# KiCad board KlusterLab r2.0.kicad_pcb (continued)
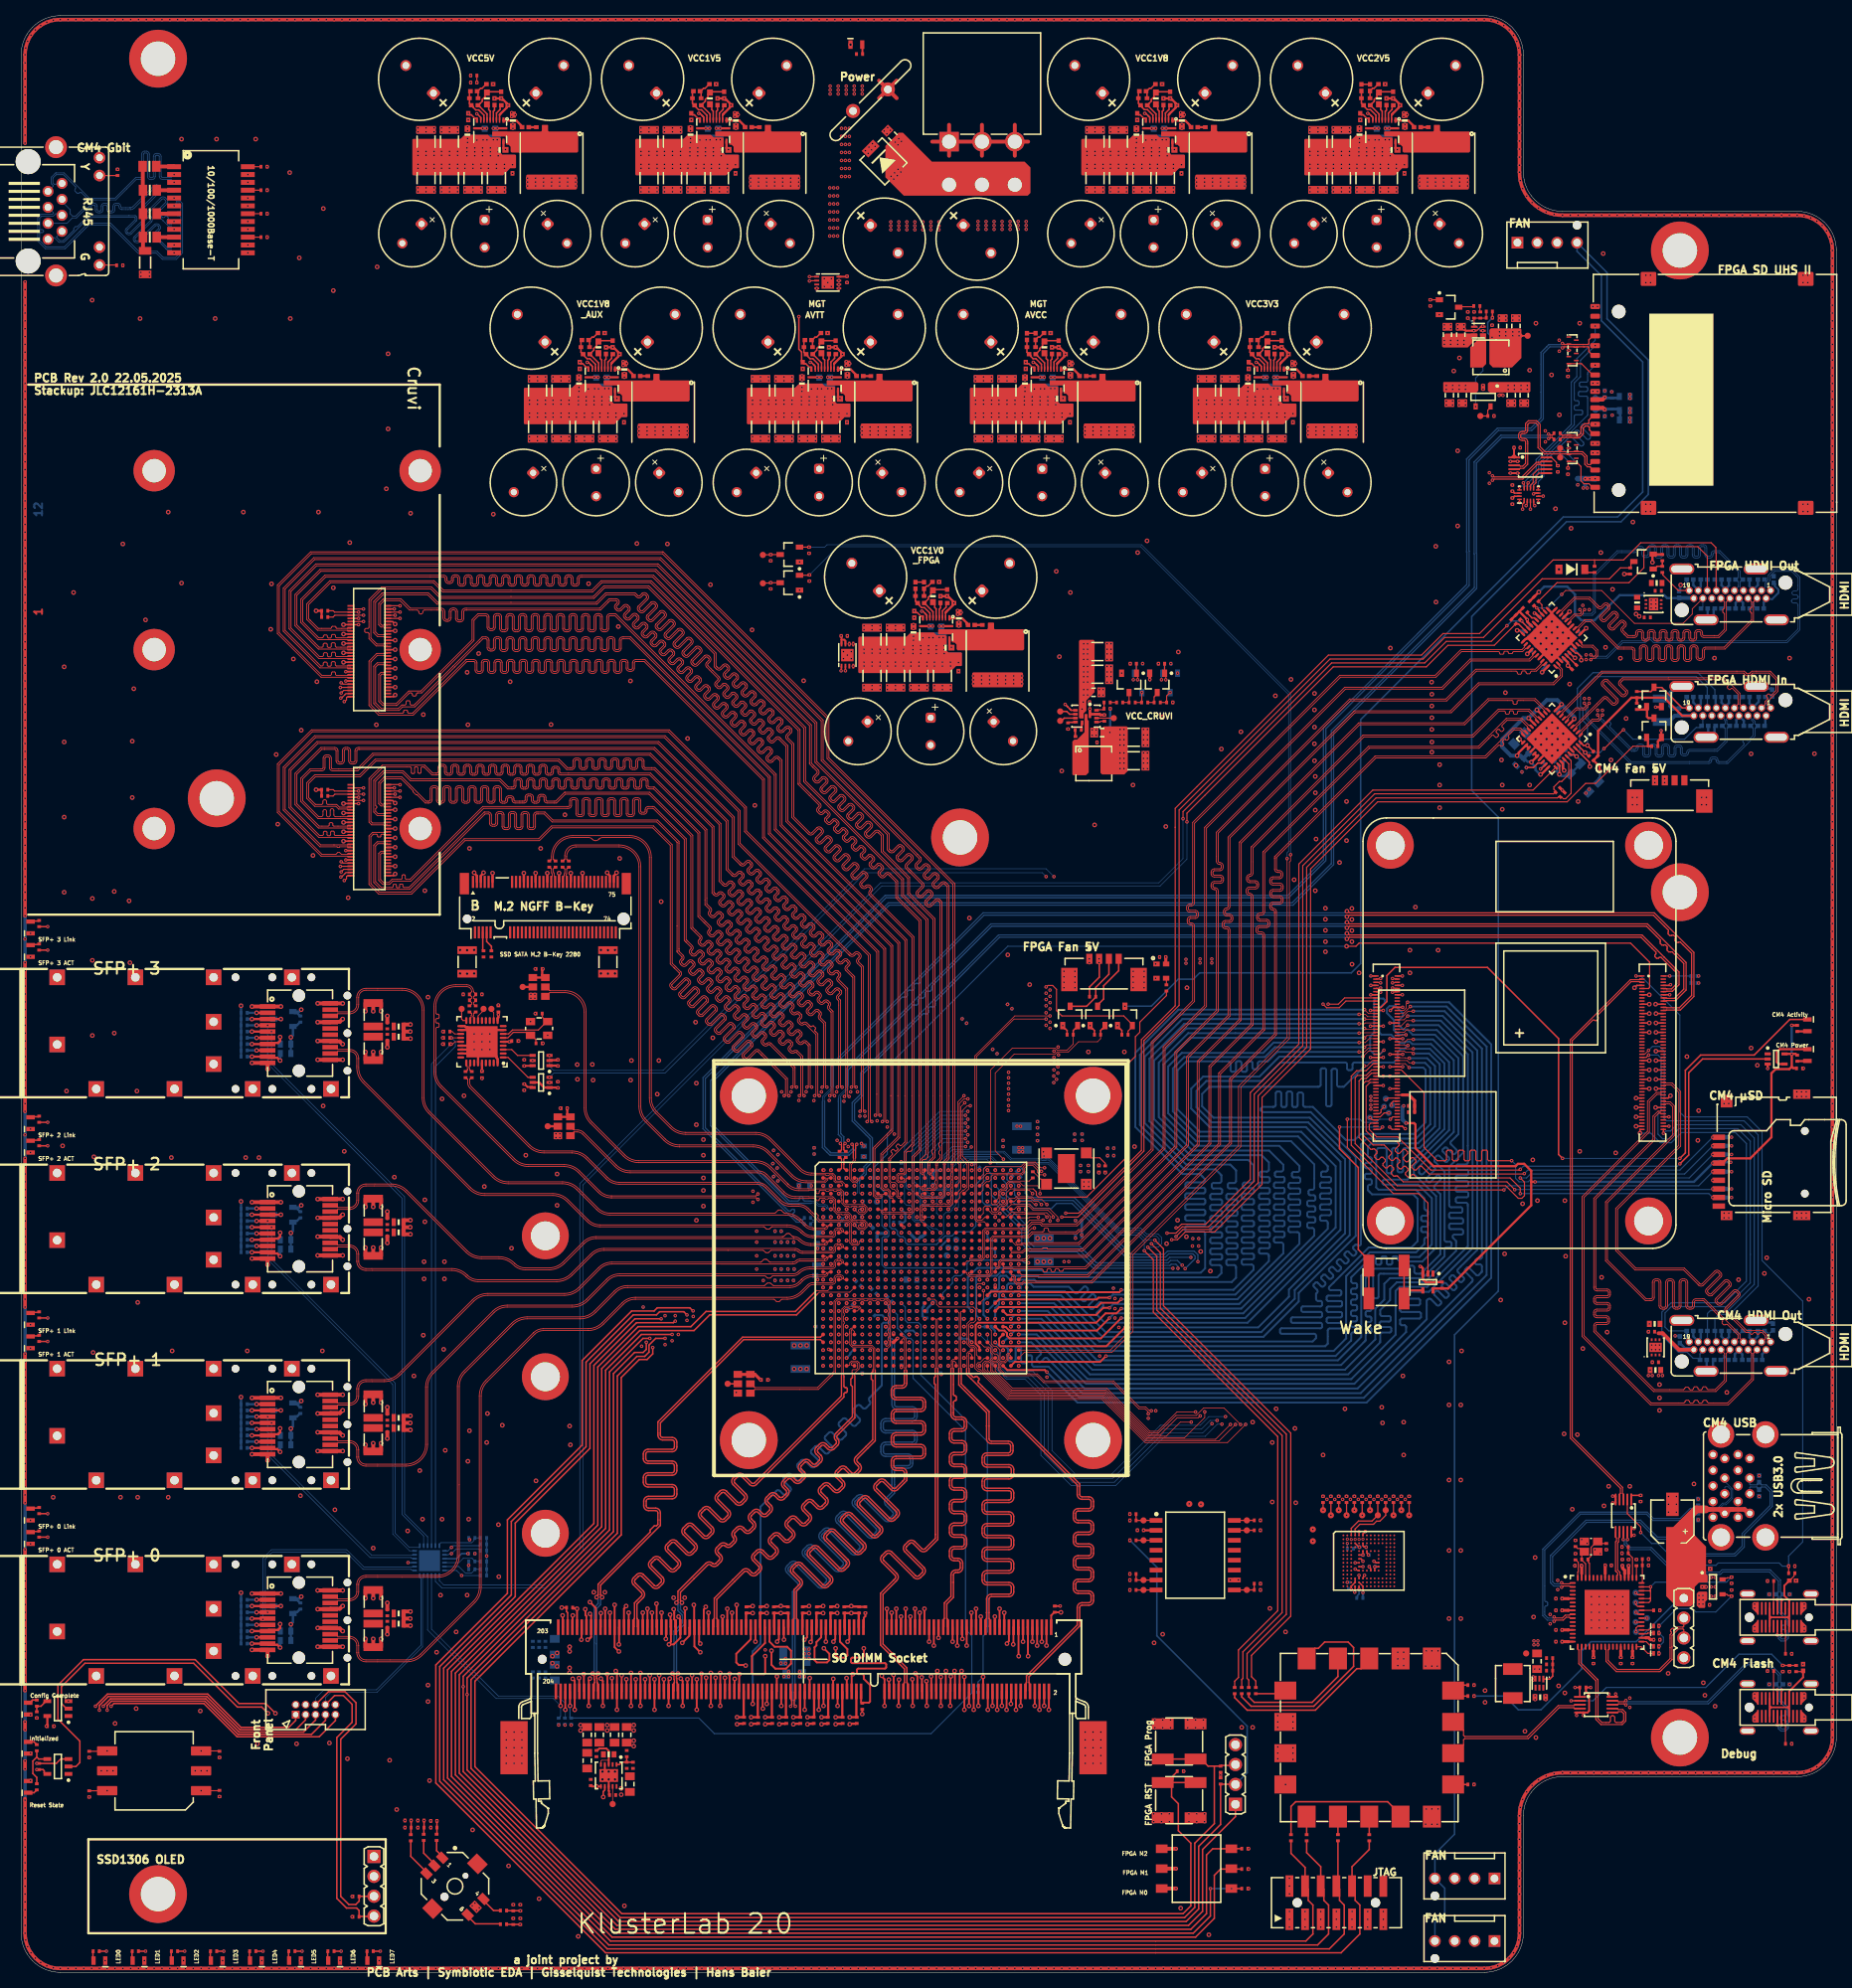
[diagram p0: board, top side]
## Routing (per net, layer and track width the routed paths; a pad name or vN(x,y) marks a point on that pad's centre or on a via; arc(x,y) is an arc through that point) (continued)
  L3 Inner2 (Sig) w0.154: v2(120.3,42.6) 120.8,43.1 120.8,46.8 121.5,47.5 121.5,48.7 122.5,49.7 122.5,55.49 arc(122.55,55.6) 122.65,55.65 122.69,55.65 arc(122.8,55.69) 122.85,55.8 122.85,56.1 arc(122.8,56.21) 122.69,56.25 122.45,56.25 arc(122.35,56.29) 122.3,56.4 122.3,56.7 arc(122.35,56.81) 122.45,56.85 122.69,56.85 arc(122.8,56.9) 122.85,57 122.85,57.31 arc(122.8,57.41) 122.69,57.46 122.45,57.46 arc(122.35,57.5) 122.3,57.61 122.3,57.91 arc(122.35,58.02) 122.45,58.06 122.69,58.06 arc(122.8,58.11) 122.85,58.21 122.85,58.51 arc(122.8,58.62) 122.69,58.67 122.45,58.67 arc(122.35,58.71) 122.3,58.82 122.3,59.12 arc(122.35,59.23) 122.45,59.27 122.69,59.27 arc(122.8,59.31) 122.85,59.42 122.85,59.72 arc(122.8,59.83) 122.69,59.87 122.45,59.87 arc(122.35,59.92) 122.3,60.03 122.3,60.33 arc(122.35,60.43) 122.45,60.48 122.69,60.48 arc(122.8,60.52) 122.85,60.63 122.85,60.93 arc(122.8,61.04) 122.69,61.08 122.45,61.08 arc(122.35,61.13) 122.3,61.23 122.3,61.54 arc(122.35,61.64) 122.45,61.69 122.69,61.69 arc(122.8,61.73) 122.85,61.84 122.85,62.14 arc(122.8,62.25) 122.69,62.29 122.45,62.29 arc(122.35,62.33) 122.3,62.44 122.3,62.74 arc(122.35,62.85) 122.45,62.89 122.69,62.89 arc(122.8,62.94) 122.85,63.05 122.85,63.35 arc(122.8,63.45) 122.69,63.5 122.45,63.5 arc(122.35,63.54) 122.3,63.65 122.3,63.95 arc(122.35,64.06) 122.45,64.1 122.69,64.1 arc(122.8,64.15) 122.85,64.25 122.85,64.56 arc(122.8,64.66) 122.69,64.71 122.45,64.71 arc(122.35,64.75) 122.3,64.86 122.3,65.16 arc(122.35,65.27) 122.45,65.31 122.69,65.31 arc(122.8,65.35) 122.85,65.46 122.85,65.76 arc(122.8,65.87) 122.69,65.91 122.45,65.91 arc(122.35,65.96) 122.3,66.07 122.3,66.37 arc(122.35,66.47) 122.45,66.52 122.69,66.52 arc(122.8,66.56) 122.84,66.67 122.84,66.97 arc(122.8,67.08) 122.69,67.12 122.5,67.12 arc(122.39,67.17) 122.35,67.27 122.35,67.58 arc(122.39,67.68) 122.5,67.73 122.65,67.73 arc(122.76,67.77) 122.81,67.88 122.81,68.18 arc(122.76,68.29) 122.65,68.33 arc(122.55,68.38) 122.5,68.48 122.5,69.7 120.25,71.95 120.25,77.25 v1(120.5,77.5)
DDR3_D17: length 41.5
  L1 Top w0.249: v2(119.65,41.75) J1.41
  L3 Inner2 (Sig) w0.154: v2(119.65,41.75) 119.65,44.53 arc(119.7,44.63) 119.8,44.68 119.82,44.68 arc(119.93,44.72) 119.97,44.83 119.97,45.13 arc(119.93,45.24) 119.82,45.28 119.8,45.28 arc(119.7,45.33) 119.65,45.44 119.65,46.75 120.9,48 120.9,49.1 121.5,49.7 121.5,69.7 119.65,71.55 119.65,77.35 v1(118.5,78.5)
DDR3_D18: length 47.8
  L1 Top w0.249: v2(116.65,41.75) J1.51
  L3 Inner2 (Sig) w0.154: v2(116.65,41.75) 116.65,45.35 117.2,45.9 117.2,49 118.2,50 118.2,54.25 arc(118.15,54.36) 118.05,54.4 117.85,54.4 arc(117.74,54.45) 117.7,54.56 117.7,54.86 arc(117.74,54.96) 117.85,55.01 118.15,55.01 arc(118.26,55.05) 118.3,55.16 118.3,55.46 arc(118.26,55.57) 118.15,55.61 117.85,55.61 arc(117.74,55.66) 117.7,55.76 117.7,56.07 arc(117.74,56.17) 117.85,56.22 118.15,56.22 arc(118.26,56.26) 118.3,56.37 118.3,56.67 arc(118.26,56.78) 118.15,56.82 117.85,56.82 arc(117.74,56.86) 117.7,56.97 117.7,57.27 arc(117.74,57.38) 117.85,57.42 118.15,57.42 arc(118.26,57.47) 118.3,57.58 118.3,57.88 arc(118.26,57.98) 118.15,58.03 117.85,58.03 arc(117.74,58.07) 117.7,58.18 117.7,58.48 arc(117.74,58.59) 117.85,58.63 118.15,58.63 arc(118.26,58.68) 118.3,58.78 118.3,59.09 arc(118.26,59.19) 118.15,59.24 117.85,59.24 arc(117.74,59.28) 117.7,59.39 117.7,59.69 arc(117.74,59.8) 117.85,59.84 118.15,59.84 arc(118.26,59.88) 118.3,59.99 118.3,60.29 arc(118.26,60.4) 118.15,60.44 117.85,60.44 arc(117.74,60.49) 117.7,60.6 117.7,60.9 arc(117.74,61) 117.85,61.05 118.15,61.05 arc(118.26,61.09) 118.3,61.2 118.3,61.5 arc(118.26,61.61) 118.15,61.65 117.85,61.65 arc(117.74,61.7) 117.7,61.8 117.7,62.11 arc(117.74,62.21) 117.85,62.26 118.15,62.26 arc(118.26,62.3) 118.3,62.41 118.3,62.71 arc(118.26,62.82) 118.15,62.86 117.85,62.86 arc(117.74,62.91) 117.7,63.01 117.7,63.31 arc(117.74,63.42) 117.85,63.46 118.05,63.46 arc(118.15,63.51) 118.2,63.62 118.2,64.3 117.2,65.3 117.2,75.7 117,75.9 117,77.7 116.52,78.18 116.52,78.48 v1(116.5,78.5)
DDR3_D19: length 47.5
  L1 Top w0.249: v2(116.05,42.25) J1.53
  L3 Inner2 (Sig) w0.154: v2(116.05,42.25) 116.05,45.45 116.7,46.1 116.7,48.77 arc(116.65,48.88) 116.55,48.93 116.48,48.93 arc(116.37,48.97) 116.32,49.08 116.32,49.38 arc(116.37,49.49) 116.48,49.53 116.74,49.53 arc(116.85,49.58) 116.89,49.68 116.89,49.99 arc(116.85,50.09) 116.74,50.14 116.48,50.14 arc(116.37,50.18) 116.32,50.29 116.32,50.59 arc(116.37,50.7) 116.48,50.74 116.74,50.74 arc(116.85,50.78) 116.89,50.89 116.89,51.19 arc(116.85,51.3) 116.74,51.34 116.48,51.34 arc(116.37,51.39) 116.32,51.5 116.32,51.8 arc(116.37,51.9) 116.48,51.95 116.74,51.95 arc(116.85,51.99) 116.89,52.1 116.89,52.4 arc(116.85,52.51) 116.74,52.55 116.48,52.55 arc(116.37,52.6) 116.32,52.7 116.32,53.01 arc(116.37,53.11) 116.48,53.16 116.74,53.16 arc(116.85,53.2) 116.89,53.31 116.89,53.61 arc(116.85,53.72) 116.74,53.76 116.48,53.76 arc(116.37,53.8) 116.32,53.91 116.32,54.21 arc(116.37,54.32) 116.48,54.36 116.74,54.36 arc(116.85,54.41) 116.89,54.52 116.89,54.82 arc(116.85,54.92) 116.74,54.97 116.48,54.97 arc(116.37,55.01) 116.32,55.12 116.32,55.42 arc(116.37,55.53) 116.48,55.57 116.55,55.57 arc(116.65,55.62) 116.7,55.73 116.7,57.21 arc(116.75,57.32) 116.85,57.37 117.05,57.37 arc(117.16,57.41) 117.2,57.52 117.2,57.82 arc(117.16,57.93) 117.05,57.97 116.78,57.97 arc(116.68,58.01) 116.63,58.12 116.63,58.42 arc(116.68,58.53) 116.78,58.57 117.05,58.57 arc(117.16,58.62) 117.2,58.73 117.2,59.03 arc(117.16,59.13) 117.05,59.18 116.78,59.18 arc(116.68,59.22) 116.63,59.33 116.63,59.63 arc(116.68,59.74) 116.78,59.78 117.05,59.78 arc(117.16,59.83) 117.2,59.93 117.2,60.24 arc(117.16,60.34) 117.05,60.39 116.78,60.39 arc(116.68,60.43) 116.63,60.54 116.63,60.84 arc(116.68,60.95) 116.78,60.99 117.05,60.99 arc(117.16,61.03) 117.2,61.14 117.2,61.44 arc(117.16,61.55) 117.05,61.59 116.78,61.59 arc(116.68,61.64) 116.63,61.75 116.63,62.05 arc(116.68,62.15) 116.78,62.2 117.05,62.2 arc(117.16,62.24) 117.2,62.35 117.2,62.65 arc(117.16,62.76) 117.05,62.8 116.78,62.8 arc(116.68,62.85) 116.63,62.95 116.63,63.26 arc(116.68,63.36) 116.78,63.41 117.05,63.41 arc(117.16,63.45) 117.2,63.56 117.2,63.86 arc(117.16,63.97) 117.05,64.01 116.85,64.01 arc(116.75,64.06) 116.7,64.16 116.7,64.88 116.7,75.8 116.5,76 v1(116.5,77.5)
DDR3_D20: length 47.7
  L1 Top w0.249: J1.40 119.95,38.16 120.2,38.41 v2(120.2,38.5)
  L3 Inner2 (Sig) w0.154: v1(121.5,77.5) 120.8,76.8 120.8,72.5 124,69.3 124,49.7 122.7,48.4 122.7,46.4 121.6,45.3 121.6,41.24 arc(121.55,41.13) 121.45,41.09 121.31,41.09 arc(121.2,41.04) 121.15,40.94 121.15,40.63 arc(121.2,40.53) 121.31,40.48 121.67,40.48 arc(121.78,40.44) 121.83,40.33 121.83,40.03 arc(121.78,39.92) 121.67,39.88 121.05,39.88 arc(120.95,39.84) 120.9,39.73 120.9,39.43 arc(120.95,39.32) 121.05,39.28 121.45,39.28 arc(121.55,39.23) 121.6,39.12 121.6,38.9 121.2,38.5 v2(120.2,38.5)
DDR3_D21: length 48.3
  L1 Top w0.249: v2(119.3,38.5) 119.35,38.45 J1.42
  L3 Inner2 (Sig) w0.154: v1(117.5,79.5) 118,79 118,78.2 118.25,77.95 118.65,77.95 119,77.6 119,71 120.2,69.8 120.2,68.42 arc(120.25,68.31) 120.35,68.27 120.39,68.27 arc(120.5,68.22) 120.54,68.12 120.54,67.82 arc(120.5,67.71) 120.39,67.66 120.2,67.66 arc(120.1,67.62) 120.05,67.51 120.05,67.21 arc(120.1,67.11) 120.2,67.06 120.39,67.06 arc(120.5,67.02) 120.54,66.91 120.54,66.61 arc(120.5,66.5) 120.39,66.46 120.2,66.46 arc(120.1,66.41) 120.05,66.31 120.05,66 arc(120.1,65.9) 120.2,65.85 120.3,65.85 arc(120.4,65.81) 120.45,65.7 120.45,65.4 arc(120.4,65.29) 120.3,65.25 120.2,65.25 arc(120.1,65.2) 120.05,65.1 120.05,64.8 arc(120.1,64.69) 120.2,64.64 120.35,64.64 arc(120.46,64.6) 120.51,64.49 120.51,64.19 arc(120.46,64.08) 120.35,64.04 arc(120.25,64) 120.2,63.89 120.2,48.4 119,47.2 119,43.5 118.5,43 118.5,41.5 119.3,40.7 v2(119.3,38.5)
DDR3_D22: length 47.9
  L1 Top w0.249: J1.50 116.95,38.26 117.1,38.41 v2(117.1,38.5)
  L3 Inner2 (Sig) w0.154: v2(117.1,38.5) 117.1,40.8 117.8,41.5 117.8,46.3 118,46.5 118,48.2 118.9,49.1 118.9,65.09 arc(118.85,65.2) 118.75,65.24 arc(118.64,65.29) 118.59,65.4 118.59,65.7 arc(118.64,65.8) 118.75,65.85 118.87,65.85 arc(118.98,65.89) 119.02,66 119.02,66.3 arc(118.98,66.41) 118.87,66.45 118.58,66.45 arc(118.47,66.5) 118.43,66.6 118.43,66.91 arc(118.47,67.01) 118.58,67.06 118.87,67.06 arc(118.98,67.1) 119.02,67.21 119.02,67.51 arc(118.98,67.62) 118.87,67.66 118.55,67.66 arc(118.44,67.71) 118.4,67.81 118.4,68.11 arc(118.44,68.22) 118.55,68.26 118.75,68.26 arc(118.85,68.31) 118.9,68.42 118.9,69.1 118,70 118,77.7 117.7,78 117.3,78 117,78.3 117,79 v1(116.5,79.5)
DDR3_D23: length 47.8
  L1 Top w0.249: J1.52 116.33,35.93 116.33,37.78 v2(116.3,37.8)
  L3 Inner2 (Sig) w0.154: v2(116.3,37.8) 116.35,37.85 116.35,40.65 115.5,41.5 115.5,45.6 116.2,46.3 116.2,47 115.6,47.6 115.6,48.02 arc(115.55,48.12) 115.45,48.17 114.77,48.17 arc(114.67,48.21) 114.62,48.32 114.62,48.62 arc(114.67,48.73) 114.77,48.77 115.52,48.77 arc(115.63,48.82) 115.67,48.92 115.67,49.23 arc(115.63,49.33) 115.52,49.38 114.77,49.38 arc(114.67,49.42) 114.62,49.53 114.62,49.83 arc(114.67,49.94) 114.77,49.98 115.52,49.98 arc(115.63,50.03) 115.67,50.13 115.67,50.43 arc(115.63,50.54) 115.52,50.59 115.09,50.59 arc(114.98,50.63) 114.94,50.74 114.94,51.04 arc(114.98,51.15) 115.09,51.19 115.45,51.19 arc(115.55,51.23) 115.6,51.34 115.6,57 116.2,57.6 116.2,75.3 115.9,75.6 115.9,77.1 v1(115.5,77.5)
DDR3_D24: length 53.9
  L1 Top w0.249: J1.57 v2(114.85,45.95)
  L10 Inner9 (Sig) w0.154: v2(114.85,45.95) 114.8,45.9 114.8,45.4 113.8,44.4 113.8,41.6 114.1,41.3 115,41.3 115.3,41.6 115.3,42.3 116.4,43.4 116.9,43.4 117.2,43.7 117.2,44.9 119.3,47 119.3,52.6 120,53.3 120,79.8 119.8,80 119.3,80 119,80.3 119,80.7 118.7,81 118.3,81 118,81.3 118,81.7 117.7,82 117,82 v1(116.5,82.5)
DDR3_D25: length 47.6
  L1 Top w0.249: J1.59 v2(114.25,46.45)
  L10 Inner9 (Sig) w0.154: v2(114.25,46.45) 114.9,47.1 115.4,47.1 arc(115.5,47.15) 115.55,47.25 115.55,48.4 arc(115.59,48.5) 115.7,48.55 116,48.55 arc(116.11,48.5) 116.15,48.4 116.15,46.75 arc(116.2,46.64) 116.3,46.6 116.61,46.6 arc(116.71,46.64) 116.76,46.75 116.76,47.86 arc(116.8,47.97) 116.91,48.01 117.21,48.01 arc(117.32,47.97) 117.36,47.86 117.36,47.25 arc(117.41,47.15) 117.52,47.1 117.9,47.1 118.6,47.8 118.6,52.9 119.3,53.6 119.3,74.8 119.5,75 119.5,78.8 119,79.3 119,79.7 118.7,80 118.3,80 118,80.3 118,80.57 117.52,81.04 117.52,81.48 v1(117.5,81.5)
DDR3_D26: length 50.1
  L1 Top w0.249: J1.67 v2(111.85,46.45)
  L10 Inner9 (Sig) w0.154: v2(111.85,46.45) 111.85,50.85 116,55 116,56.78 arc(115.95,56.89) 115.85,56.93 115.71,56.93 arc(115.6,56.98) 115.56,57.08 115.56,57.38 arc(115.6,57.49) 115.71,57.54 116.02,57.54 arc(116.13,57.58) 116.17,57.69 116.17,57.99 arc(116.13,58.09) 116.02,58.14 115.71,58.14 arc(115.6,58.18) 115.56,58.29 115.56,58.59 arc(115.6,58.7) 115.71,58.74 116.02,58.74 arc(116.13,58.79) 116.17,58.89 116.17,59.2 arc(116.13,59.3) 116.02,59.35 115.71,59.35 arc(115.6,59.39) 115.56,59.5 115.56,59.8 arc(115.6,59.91) 115.71,59.95 116.02,59.95 arc(116.13,60) 116.17,60.1 116.17,60.4 arc(116.13,60.51) 116.02,60.56 115.71,60.56 arc(115.6,60.6) 115.56,60.71 115.56,61.01 arc(115.6,61.11) 115.71,61.16 116.02,61.16 arc(116.13,61.2) 116.17,61.31 116.17,61.61 arc(116.13,61.72) 116.02,61.76 115.71,61.76 arc(115.6,61.81) 115.56,61.91 115.56,62.22 arc(115.6,62.32) 115.71,62.37 116.02,62.37 arc(116.13,62.41) 116.17,62.52 116.17,62.82 arc(116.13,62.93) 116.02,62.97 115.71,62.97 arc(115.6,63.02) 115.56,63.12 115.56,63.42 arc(115.6,63.53) 115.71,63.58 116.02,63.58 arc(116.13,63.62) 116.17,63.73 116.17,64.03 arc(116.13,64.13) 116.02,64.18 115.71,64.18 arc(115.6,64.22) 115.56,64.33 115.56,64.63 arc(115.6,64.74) 115.71,64.78 116.02,64.78 arc(116.13,64.83) 116.17,64.93 116.17,65.24 arc(116.13,65.34) 116.02,65.39 115.71,65.39 arc(115.6,65.43) 115.56,65.54 115.56,65.84 arc(115.6,65.95) 115.71,65.99 116.02,65.99 arc(116.13,66.04) 116.17,66.14 116.17,66.44 arc(116.13,66.55) 116.02,66.6 115.71,66.6 arc(115.6,66.64) 115.56,66.75 115.56,67.05 arc(115.6,67.15) 115.71,67.2 116.02,67.2 arc(116.13,67.24) 116.17,67.35 116.17,67.65 arc(116.13,67.76) 116.02,67.8 115.71,67.8 arc(115.6,67.85) 115.56,67.95 115.56,68.26 arc(115.6,68.36) 115.71,68.41 116.02,68.41 arc(116.13,68.45) 116.17,68.56 116.17,68.86 arc(116.13,68.97) 116.02,69.01 115.71,69.01 arc(115.6,69.06) 115.56,69.16 115.56,69.46 arc(115.6,69.57) 115.71,69.62 116.02,69.62 arc(116.13,69.66) 116.17,69.77 116.17,70.07 arc(116.13,70.17) 116.02,70.22 115.71,70.22 arc(115.6,70.26) 115.56,70.37 115.56,70.67 arc(115.6,70.78) 115.71,70.82 116.02,70.82 arc(116.13,70.87) 116.17,70.97 116.17,71.28 arc(116.13,71.38) 116.02,71.43 115.72,71.43 arc(115.61,71.47) 115.57,71.58 115.57,71.88 arc(115.61,71.99) 115.72,72.03 116,72.03 arc(116.11,72.08) 116.15,72.18 116.15,72.48 arc(116.11,72.59) 116,72.64 115.85,72.64 arc(115.74,72.68) 115.7,72.79 115.7,73.09 arc(115.74,73.19) 115.85,73.24 arc(115.95,73.28) 116,73.39 116,78.7 115.56,79.14 115.56,79.44 v1(115.5,79.5)
DDR3_D27: length 52.5
  L1 Top w0.249: J1.69 v2(111.25,45.95)
  L10 Inner9 (Sig) w0.154: v1(115.5,81.5) 115,81 115,74.71 arc(114.95,74.6) 114.85,74.55 arc(114.74,74.51) 114.7,74.4 114.7,74.1 arc(114.74,74) 114.85,73.95 114.92,73.95 arc(115.03,73.91) 115.07,73.8 115.07,73.5 arc(115.03,73.39) 114.92,73.35 114.77,73.35 arc(114.66,73.3) 114.62,73.2 114.62,72.89 arc(114.66,72.79) 114.77,72.74 114.92,72.74 arc(115.03,72.7) 115.07,72.59 115.07,72.29 arc(115.03,72.18) 114.92,72.14 114.65,72.14 arc(114.54,72.09) 114.5,71.99 114.5,71.69 arc(114.54,71.58) 114.65,71.53 114.92,71.53 arc(115.03,71.49) 115.07,71.38 115.07,71.08 arc(115.03,70.98) 114.92,70.93 114.65,70.93 arc(114.54,70.89) 114.5,70.78 114.5,70.48 arc(114.54,70.37) 114.65,70.33 114.92,70.33 arc(115.03,70.28) 115.07,70.18 115.07,69.87 arc(115.03,69.77) 114.92,69.72 114.65,69.72 arc(114.54,69.68) 114.5,69.57 114.5,69.27 arc(114.54,69.16) 114.65,69.12 114.92,69.12 arc(115.03,69.07) 115.07,68.97 115.07,68.67 arc(115.03,68.56) 114.92,68.52 114.65,68.52 arc(114.54,68.47) 114.5,68.36 114.5,68.06 arc(114.54,67.96) 114.65,67.91 114.92,67.91 arc(115.03,67.87) 115.07,67.76 115.07,67.46 arc(115.03,67.35) 114.92,67.31 114.65,67.31 arc(114.54,67.26) 114.5,67.16 114.5,66.85 arc(114.54,66.75) 114.65,66.7 114.92,66.7 arc(115.03,66.66) 115.07,66.55 115.07,66.25 arc(115.03,66.14) 114.92,66.1 114.65,66.1 arc(114.54,66.05) 114.5,65.95 114.5,65.65 arc(114.54,65.54) 114.65,65.5 114.92,65.5 arc(115.03,65.45) 115.07,65.34 115.07,65.04 arc(115.03,64.94) 114.92,64.89 114.65,64.89 arc(114.54,64.85) 114.5,64.74 114.5,64.44 arc(114.54,64.33) 114.65,64.29 114.92,64.29 arc(115.03,64.24) 115.07,64.14 115.07,63.83 arc(115.03,63.73) 114.92,63.68 114.65,63.68 arc(114.54,63.64) 114.5,63.53 114.5,63.23 arc(114.54,63.12) 114.65,63.08 114.92,63.08 arc(115.03,63.03) 115.07,62.93 115.07,62.63 arc(115.03,62.52) 114.92,62.48 114.65,62.48 arc(114.54,62.43) 114.5,62.32 114.5,62.02 arc(114.54,61.92) 114.65,61.87 114.92,61.87 arc(115.03,61.83) 115.07,61.72 115.07,61.42 arc(115.03,61.31) 114.92,61.27 114.65,61.27 arc(114.54,61.22) 114.5,61.12 114.5,60.81 arc(114.54,60.71) 114.65,60.66 114.92,60.66 arc(115.03,60.62) 115.07,60.51 115.07,60.21 arc(115.03,60.1) 114.92,60.06 114.65,60.06 arc(114.54,60.01) 114.5,59.91 114.5,59.61 arc(114.54,59.5) 114.65,59.46 114.92,59.46 arc(115.03,59.41) 115.07,59.3 115.07,59 arc(115.03,58.9) 114.92,58.85 114.65,58.85 arc(114.54,58.81) 114.5,58.7 114.5,58.4 arc(114.54,58.29) 114.65,58.25 114.92,58.25 arc(115.03,58.2) 115.07,58.1 115.07,57.79 arc(115.03,57.69) 114.92,57.64 114.65,57.64 arc(114.54,57.6) 114.5,57.49 114.5,57.19 arc(114.54,57.08) 114.65,57.04 114.92,57.04 arc(115.03,56.99) 115.07,56.89 115.07,56.59 arc(115.03,56.48) 114.92,56.44 114.65,56.44 arc(114.54,56.39) 114.5,56.28 114.5,55.98 arc(114.54,55.88) 114.65,55.83 114.85,55.83 arc(114.95,55.79) 115,55.68 115,55 111.25,51.25 v2(111.25,45.95)
DDR3_D28: length 52.4
  L1 Top w0.249: v2(115.1,37.7) 115.13,37.68 115.13,35.93 J1.56
  L10 Inner9 (Sig) w0.154: v2(115.1,37.7) 117.04,39.64 arc(117.09,39.75) 117.04,39.86 117.03,39.88 arc(116.99,39.98) 117.03,40.09 117.24,40.3 arc(117.35,40.35) 117.46,40.3 117.99,39.77 arc(118.1,39.72) 118.21,39.77 118.42,39.98 arc(118.47,40.09) 118.42,40.19 118.12,40.5 arc(118.07,40.61) 118.12,40.72 118.5,41.1 118.5,44.5 120.7,46.7 120.7,51.6 121.9,52.8 121.9,77.47 121.9,77.47 121.9,79.4 121,80.3 121,80.7 120.7,81 120.3,81 120,81.3 120,82 v1(119.5,82.5)
DDR3_D29: length 52.6
  L1 Top w0.249: v2(114.3,38.2) 114.37,38.13 114.37,38.01 114.55,37.82 J1.58
  L10 Inner9 (Sig) w0.154: v1(118.5,82.5) 118.5,82.47 119.12,81.85 119.12,81.28 119.43,80.98 119.69,80.98 120,80.67 120,80.27 120.3,79.97 120.7,79.97 121,79.67 121,53.1 120,52.1 120,46.8 117.9,44.7 117.9,41.77 116.47,40.34 arc(116.36,40.29) 116.25,40.34 116.12,40.47 arc(116.01,40.52) 115.9,40.47 115.69,40.26 arc(115.65,40.15) 115.69,40.04 115.89,39.85 arc(115.93,39.74) 115.89,39.64 115.67,39.42 arc(115.57,39.38) 115.46,39.42 115.26,39.62 arc(115.15,39.67) 115.05,39.62 114.83,39.41 arc(114.79,39.3) 114.83,39.19 114.97,39.06 arc(115.02,38.95) 114.97,38.84 114.33,38.2 v2(114.3,38.2)
DDR3_D30: length 50.3
  L1 Top w0.249: J1.68 111.53,35.93 111.53,37.98 v2(111.5,38)
  L10 Inner9 (Sig) w0.154: v1(116.5,81.5) 117,81 117,80.3 117.3,80 117.7,80 118,79.7 118,79.2 118.2,79 118.7,79 119,78.7 119,75.3 118.5,74.8 118.5,54.4 113.57,49.47 113.57,46.12 113.13,45.67 113.13,43.4 111.5,41.77 v2(111.5,38)
DDR3_D31: length 51.8
  L1 Top w0.249: J1.70 110.93,35.93 110.93,37.38 v2(110.9,37.4)
  L10 Inner9 (Sig) w0.154: v1(115.5,80.5) 115.56,80.44 115.56,80.14 116,79.7 116,79.3 116.3,79 116.7,79 117,78.7 117,75.2 116.8,75 116.8,54.8 112.5,50.5 112.5,46.24 111.73,45.47 111.73,43.03 110.9,42.2 110.9,40.75 arc(110.85,40.64) 110.75,40.6 110.12,40.6 arc(110.01,40.55) 109.97,40.45 109.97,40.14 arc(110.01,40.04) 110.12,39.99 110.82,39.99 arc(110.92,39.95) 110.97,39.84 110.97,39.54 arc(110.92,39.43) 110.82,39.39 109.88,39.39 arc(109.77,39.34) 109.72,39.24 109.72,38.94 arc(109.77,38.83) 109.88,38.79 110.75,38.79 arc(110.85,38.74) 110.9,38.63 v2(110.9,37.4)
DDR3_D32: length 54.8
  L1 Top w0.249: J1.129 v2(90.85,45.95)
  L3 Inner2 (Sig) w0.154: v1(107.5,79.5) 107.52,79.48
  L10 Inner9 (Sig) w0.154: v2(90.85,45.95) 92.1,44.7 93.5,44.7 94.2,45.4 94.2,47.36 arc(94.15,47.47) 94.05,47.51 91.97,47.51 arc(91.86,47.56) 91.82,47.66 91.82,47.97 arc(91.86,48.07) 91.97,48.12 94.35,48.12 arc(94.46,48.16) 94.5,48.27 94.5,48.57 arc(94.46,48.68) 94.35,48.72 92.52,48.72 arc(92.41,48.77) 92.37,48.87 92.37,49.17 arc(92.41,49.28) 92.52,49.33 94.05,49.33 arc(94.15,49.37) 94.2,49.48 94.2,50.7 107,63.5 107,76.7 107.3,77 107.7,77 108,77.3 108,78.7 107.52,79.18 107.52,79.48 v1(107.5,79.5)
DDR3_D33: length 55.9
  L1 Top w0.249: J1.131 v2(90.25,46.45)
  L10 Inner9 (Sig) w0.154: v1(107.5,80.5) 107.48,80.48 107.48,80.18 107,79.7 107,78.2 106.5,77.7 106.5,73.82 arc(106.45,73.71) 106.35,73.67 106.31,73.67 arc(106.2,73.62) 106.16,73.52 106.16,73.22 arc(106.2,73.11) 106.31,73.06 106.42,73.06 arc(106.53,73.02) 106.57,72.91 106.57,72.61 arc(106.53,72.5) 106.42,72.46 105.74,72.46 arc(105.63,72.42) 105.59,72.31 105.59,72.01 arc(105.63,71.9) 105.74,71.86 106.42,71.86 arc(106.53,71.81) 106.57,71.71 106.57,71.4 arc(106.53,71.3) 106.42,71.25 105.74,71.25 arc(105.63,71.21) 105.59,71.1 105.59,70.8 arc(105.63,70.69) 105.74,70.65 106.42,70.65 arc(106.53,70.6) 106.57,70.5 106.57,70.2 arc(106.53,70.09) 106.42,70.04 105.74,70.04 arc(105.63,70) 105.59,69.89 105.59,69.59 arc(105.63,69.48) 105.74,69.44 106.42,69.44 arc(106.53,69.4) 106.57,69.29 106.57,68.99 arc(106.53,68.88) 106.42,68.84 105.74,68.84 arc(105.63,68.79) 105.59,68.69 105.59,68.38 arc(105.63,68.28) 105.74,68.23 106.42,68.23 arc(106.53,68.19) 106.57,68.08 106.57,67.78 arc(106.53,67.67) 106.42,67.63 105.74,67.63 arc(105.63,67.58) 105.59,67.48 105.59,67.18 arc(105.63,67.07) 105.74,67.02 106.42,67.02 arc(106.53,66.98) 106.57,66.87 106.57,66.57 arc(106.53,66.46) 106.42,66.42 105.74,66.42 arc(105.63,66.38) 105.59,66.27 105.59,65.97 arc(105.63,65.86) 105.74,65.82 106.42,65.82 arc(106.53,65.77) 106.57,65.67 106.57,65.36 arc(106.53,65.26) 106.42,65.21 105.74,65.21 arc(105.63,65.17) 105.59,65.06 105.59,64.76 arc(105.63,64.65) 105.74,64.61 106.35,64.61 arc(106.45,64.56) 106.5,64.45 106.5,63.9 90.25,47.65 v2(90.25,46.45)
DDR3_D34: length 53.5
  L1 Top w0.249: J1.141 87.25,46.36 87.5,46.61 v2(87.5,46.7)
  L10 Inner9 (Sig) w0.154: v1(104.5,80.5) 103.7,79.7 103.7,79.4 103.5,79.2 103,79.2 102.8,79 102.4,79 102.06,78.66 102.06,76.06 arc(102.11,75.95) 102.22,75.9 102.22,75.9 arc(102.32,75.86) 102.37,75.75 102.37,75.45 arc(102.32,75.34) 102.22,75.3 102.06,75.3 arc(101.96,75.26) 101.91,75.15 101.91,74.85 arc(101.96,74.74) 102.06,74.7 102.16,74.7 arc(102.26,74.65) 102.31,74.54 102.31,74.24 arc(102.26,74.14) 102.16,74.09 101.98,74.09 arc(101.87,74.05) 101.82,73.94 101.82,73.64 arc(101.87,73.53) 101.98,73.49 102.41,73.49 arc(102.52,73.44) 102.56,73.34 102.56,73.03 arc(102.52,72.93) 102.41,72.88 101.98,72.88 arc(101.87,72.84) 101.82,72.73 101.82,72.43 arc(101.87,72.32) 101.98,72.28 102.41,72.28 arc(102.52,72.24) 102.56,72.13 102.56,71.83 arc(102.52,71.72) 102.41,71.68 101.98,71.68 arc(101.87,71.63) 101.82,71.52 101.82,71.22 arc(101.87,71.12) 101.98,71.07 102.41,71.07 arc(102.52,71.03) 102.56,70.92 102.56,70.62 arc(102.52,70.51) 102.41,70.47 101.98,70.47 arc(101.87,70.42) 101.82,70.32 101.82,70.01 arc(101.87,69.91) 101.98,69.86 102.41,69.86 arc(102.52,69.82) 102.56,69.71 102.56,69.41 arc(102.52,69.3) 102.41,69.26 101.98,69.26 arc(101.87,69.22) 101.82,69.11 101.82,68.81 arc(101.87,68.7) 101.98,68.66 102.41,68.66 arc(102.52,68.61) 102.56,68.5 102.56,68.2 arc(102.52,68.1) 102.41,68.05 101.98,68.05 arc(101.87,68.01) 101.82,67.9 101.82,67.6 arc(101.87,67.49) 101.98,67.45 102.41,67.45 arc(102.52,67.4) 102.56,67.3 102.56,66.99 arc(102.52,66.89) 102.41,66.84 101.98,66.84 arc(101.87,66.8) 101.82,66.69 101.82,66.39 arc(101.87,66.28) 101.98,66.24 102.41,66.24 arc(102.52,66.19) 102.56,66.09 102.56,65.79 arc(102.52,65.68) 102.41,65.64 102.22,65.64 arc(102.11,65.59) 102.06,65.48 102.06,64.06 87.5,49.5 v2(87.5,46.7)
DDR3_D35: length 55.6
  L1 Top w0.249: v2(86.8,42) 86.8,42.09 86.65,42.24 J1.143
  L10 Inner9 (Sig) w0.154: v2(86.8,42) 86.8,46.19 86.98,46.37 86.98,49.88 100.5,63.4 100.5,65.65 arc(100.55,65.76) 100.65,65.81 100.72,65.81 arc(100.82,65.85) 100.87,65.96 100.87,66.26 arc(100.82,66.37) 100.72,66.41 100.44,66.41 arc(100.34,66.46) 100.29,66.56 100.29,66.86 arc(100.34,66.97) 100.44,67.01 100.72,67.01 arc(100.82,67.06) 100.87,67.17 100.87,67.47 arc(100.82,67.57) 100.72,67.62 100.44,67.62 arc(100.34,67.66) 100.29,67.77 100.29,68.07 arc(100.34,68.18) 100.44,68.22 100.72,68.22 arc(100.82,68.27) 100.87,68.37 100.87,68.68 arc(100.82,68.78) 100.72,68.83 100.44,68.83 arc(100.34,68.87) 100.29,68.98 100.29,69.28 arc(100.34,69.39) 100.44,69.43 100.72,69.43 arc(100.82,69.48) 100.87,69.58 100.87,69.88 arc(100.82,69.99) 100.72,70.03 100.44,70.03 arc(100.34,70.08) 100.29,70.19 100.29,70.49 arc(100.34,70.59) 100.44,70.64 100.72,70.64 arc(100.82,70.68) 100.87,70.79 100.87,71.09 arc(100.82,71.2) 100.72,71.24 100.44,71.24 arc(100.34,71.29) 100.29,71.39 100.29,71.7 arc(100.34,71.8) 100.44,71.85 100.72,71.85 arc(100.82,71.89) 100.87,72 100.87,72.3 arc(100.82,72.41) 100.72,72.45 100.65,72.45 arc(100.55,72.5) 100.5,72.6 100.5,75 101.5,76 101.5,79.4 102.2,80.1 103.67,80.1 104,80.43 104,80.8 104.2,81 105,81 v1(105.5,81.5)
DDR3_D36: length 56.7
  L1 Top w0.249: J1.130 v2(90.55,38.15)
  L10 Inner9 (Sig) w0.154: v2(90.55,38.15) 92.1,39.7 92.1,39.78 arc(92.05,39.89) 91.95,39.93 91.75,39.93 arc(91.64,39.98) 91.6,40.09 91.6,40.39 arc(91.64,40.49) 91.75,40.54 92.11,40.54 arc(92.22,40.58) 92.27,40.69 92.27,40.99 arc(92.22,41.1) 92.11,41.14 91.95,41.14 arc(91.84,41.19) 91.8,41.29 91.8,41.6 arc(91.84,41.7) 91.95,41.75 92.1,41.75 arc(92.21,41.79) 92.25,41.9 92.25,42.2 arc(92.21,42.31) 92.1,42.35 91.95,42.35 arc(91.84,42.39) 91.8,42.5 91.8,42.8 arc(91.84,42.91) 91.95,42.95 arc(92.05,43) 92.1,43.11 92.1,43.74 89.73,46.12 89.73,48.03 105,63.3 105,73.3 106,74.3 106,78.6 106.5,79.1 106.5,79.9 107,80.4 107,81 v1(107.5,81.5)
DDR3_D37: length 55.9
  L1 Top w0.249: J1.132 v2(89.95,37.65)
  L10 Inner9 (Sig) w0.154: v2(89.95,37.65) 89.95,38.55 90.1,38.7 90.1,44.1 89.1,45.1 89.1,46.3 89.3,46.5 89.3,48.5 104.5,63.7 104.5,75 105,75.5 105,78.7 105.3,79 105.7,79 106,79.3 106,80.7 106.4,81.1 106.4,82.4 v1(107.5,83.5)
DDR3_D38: length 58.3
  L1 Top w0.249: J1.140 v2(87.55,37.65)
  L10 Inner9 (Sig) w0.154: v1(106.5,83.5) 106,83 106,81.2 105.85,81.05 105.45,81.05 105,80.6 105,80.2 104.8,80 104.4,80 104,79.6 104,79.2 103.7,78.9 103.3,78.9 103,78.6 103,64.1 88.1,49.2 88.1,46.6 88.37,46.33 88.37,45.67 87.55,44.85 87.55,43.51 arc(87.6,43.4) 87.7,43.36 87.8,43.36 arc(87.9,43.31) 87.95,43.2 87.95,42.9 arc(87.9,42.8) 87.8,42.75 87.63,42.75 arc(87.53,42.71) 87.48,42.6 87.48,42.3 arc(87.53,42.19) 87.63,42.15 87.8,42.15 arc(87.9,42.1) 87.95,42 87.95,41.69 arc(87.9,41.59) 87.8,41.54 87.63,41.54 arc(87.53,41.5) 87.48,41.39 87.48,41.09 arc(87.53,40.98) 87.63,40.94 87.8,40.94 arc(87.9,40.89) 87.95,40.79 87.95,40.49 arc(87.9,40.38) 87.8,40.34 87.7,40.34 arc(87.6,40.29) 87.55,40.18 v2(87.55,37.65)
